# Altium PCB Whitespace_Daughtercard.PcbDoc (part 4 of 5)
Units mil, origin at the board's own origin, x right, y up, seen from the top; angles counter-clockwise.
Board outline 4000 x 3100 mil, 6 copper layers (Top Layer, Ground Plane, MidLayer1, MidLayer2, Power Plane, Bottom Layer), stack 62.3 mil thick; 355 components, 313 nets, 1366 pads, 1573 vias.
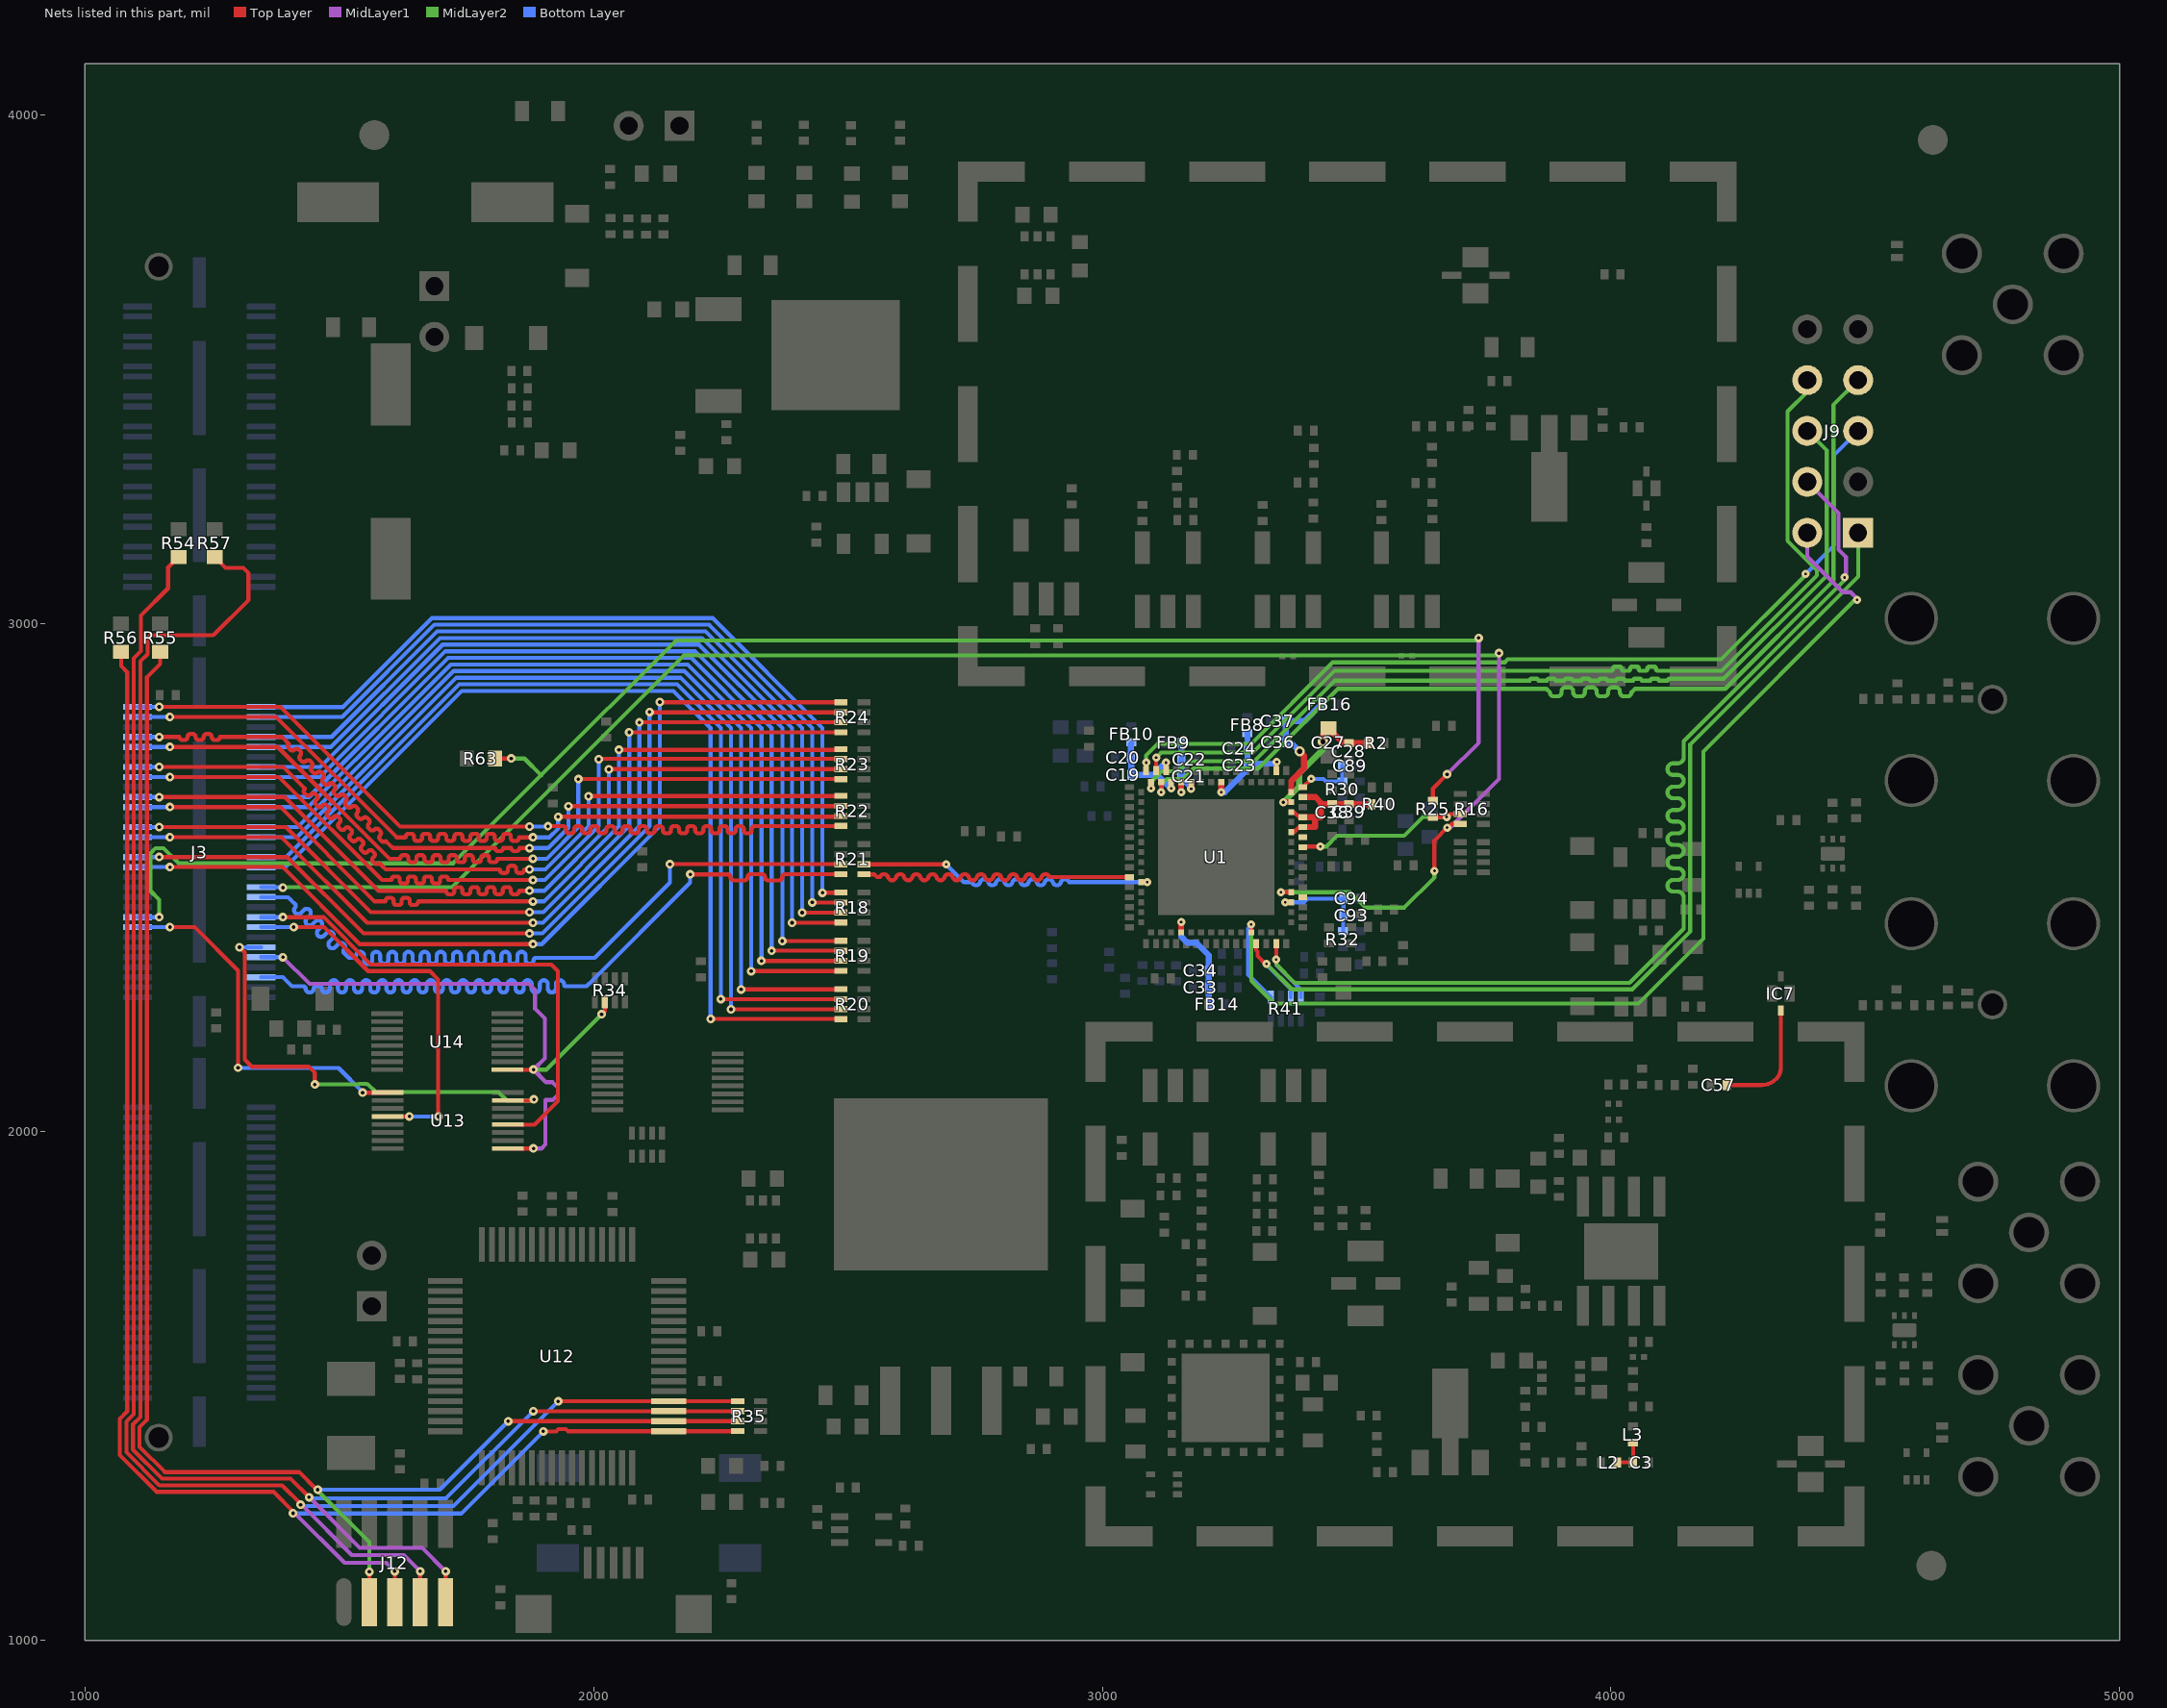
[diagram p8: the nets of this part, all layers, seen from the top]

## Via types
v1: diameter 20, hole 10, Top Layer to Bottom Layer, tented both sides, 569 vias
v2: diameter 17, hole 7, Top Layer to Bottom Layer, tented both sides, 273 vias
v3: diameter 25, hole 15, Top Layer to Bottom Layer, tented both sides, 262 vias
v4: diameter 18, hole 8, Top Layer to Bottom Layer, 137 vias
v5: diameter 16, hole 5, Top Layer to Bottom Layer, tented both sides, 108 vias
v6: diameter 20, hole 8, Top Layer to Bottom Layer, 64 vias
v7: diameter 18, hole 7, Top Layer to Bottom Layer, 61 vias
v8: diameter 17, hole 7, Top Layer to Bottom Layer, tented bottom, 41 vias
v9: diameter 18, hole 8, Top Layer to Bottom Layer, tented top, 17 vias
v10: diameter 16, hole 6, Top Layer to Bottom Layer, tented both sides, 11 vias
v11: diameter 25, hole 15, Top Layer to Bottom Layer, tented bottom, 10 vias
v12: diameter 16, hole 5, Top Layer to Bottom Layer, tented bottom, 4 vias
v13: diameter 55, hole 35.43, Top Layer to Bottom Layer, tented bottom, 3 vias
v14: diameter 150, hole 128.5, Top Layer to Bottom Layer, 3 vias
v15: diameter 250, hole 125, Top Layer to Bottom Layer, 2 vias
v16: diameter 250, hole 135, Top Layer to Bottom Layer, 2 vias
v17: diameter 18, hole 8, Top Layer to Bottom Layer, tented both sides, 2 vias
v18: diameter 18, hole 8, Top Layer to Bottom Layer, tented bottom, 2 vias
v19: diameter 20, hole 8, Top Layer to Bottom Layer, tented bottom, 1 vias
v20: diameter 19, hole 9, Top Layer to Bottom Layer, tented both sides, 1 vias

## Nets (pads, with @x,y where several pads share a name; then routed paths per layer and width w, separated by ;. In a path a pad name is that pad's centre, name@x,y a point inside that pad or via, vN(x,y) a via of type N, cw(c..) or ccw(c..) an arc to the next point about the centre after c; other vN are vias at no path point) (continued)
RXD0: J3.41 R22.1 | length 1702.6
  Top Layer w7.94: v2(1146,2835.43) 1384.57,2835.43 1620,2600 v2@1877,2600 ; v8@1910.36,2601 1922,2601 1929.94,2601 1940.26,2601 cw(c1940.26,2595.44) 1945.81,2595.44 1945.81,2592.56 ccw(c1951.37,2592.56) 1951.37,2587 1956.13,2587 ccw(c1956.13,2592.56) 1961.69,2592.56 1961.68,2595.44 cw(c1967.24,2595.44) 1967.24,2601 1972,2601 cw(c1972,2595.44) 1977.56,2595.44 1977.56,2592.56 ccw(c1983.11,2592.56) 1983.11,2587 1987.88,2587 ccw(c1987.88,2592.56) 1993.43,2592.56 1993.43,2595.44 cw(c1998.99,2595.44) 1998.99,2601 2003.75,2601 cw(c2003.75,2595.44) 2009.31,2595.44 2009.31,2592.56 ccw(c2014.86,2592.56) 2014.86,2587 2019.63,2587 ccw(c2019.63,2592.56) 2025.18,2592.56 2025.18,2595.44 cw(c2030.74,2595.44) 2030.74,2601 2035.5,2601 cw(c2035.5,2595.44) 2041.06,2595.44 2041.06,2592.56 ccw(c2046.61,2592.56) 2046.61,2587 2051.37,2587 ccw(c2051.37,2592.56) 2056.93,2592.56 2056.93,2595.44 cw(c2062.48,2595.44) 2062.48,2601 2067.25,2601 cw(c2067.25,2595.44) 2072.8,2595.44 2072.8,2592.56 ccw(c2078.36,2592.56) 2078.36,2587 2083.12,2587 ccw(c2083.12,2592.56) 2088.68,2592.56 2088.68,2595.44 cw(c2094.23,2595.44) 2094.23,2601 2099,2601 cw(c2099,2595.44) 2104.55,2595.44 2104.55,2592.56 ccw(c2110.11,2592.56) 2110.11,2587 2114.87,2587 ccw(c2114.87,2592.56) 2120.42,2592.56 2120.43,2595.44 cw(c2125.98,2595.44) 2125.98,2601 2130.74,2601 cw(c2130.74,2595.44) 2136.3,2595.44 2136.3,2592.56 ccw(c2141.85,2592.56) 2141.85,2587 2146.62,2587 ccw(c2146.62,2592.56) 2152.17,2592.56 2152.17,2595.44 cw(c2157.73,2595.44) 2157.73,2601 2162.49,2601 cw(c2162.49,2595.44) 2168.05,2595.44 2168.05,2592.56 ccw(c2173.6,2592.56) 2173.6,2587 2178.37,2587 ccw(c2178.37,2592.56) 2183.92,2592.56 2183.92,2595.44 cw(c2189.48,2595.44) 2189.48,2601 2194.24,2601 cw(c2194.24,2595.44) 2199.79,2595.44 2199.8,2592.56 ccw(c2205.35,2592.56) 2205.35,2587 2210.11,2587 ccw(c2210.11,2592.56) 2215.67,2592.56 2215.67,2595.44 cw(c2221.22,2595.44) 2221.22,2601 2225.99,2601 cw(c2225.99,2595.44) 2231.54,2595.44 2231.54,2592.56 ccw(c2237.1,2592.56) 2237.1,2587 2241.86,2587 ccw(c2241.86,2592.56) 2247.42,2592.56 2247.42,2595.44 cw(c2252.97,2595.44) 2252.97,2601 2257.74,2601 cw(c2257.74,2595.44) 2263.29,2595.44 2263.29,2592.56 ccw(c2268.85,2592.56) 2268.85,2587 2273.61,2587 ccw(c2273.61,2592.56) 2279.16,2592.56 2279.16,2595.44 cw(c2284.72,2595.44) 2284.72,2601 2289.48,2601 cw(c2289.48,2595.44) 2295.04,2595.44 2295.04,2592.56 ccw(c2300.59,2592.56) 2300.59,2587 2305.36,2587 ccw(c2305.36,2592.56) 2310.91,2592.56 2310.91,2595.44 cw(c2316.47,2595.44) 2316.47,2601 2427,2601 2485.89,2601 R22.1@2486.36,2601.47
  Bottom Layer w7.94: J3.41@1103.35,2835.43 v2(1146,2835.43) ; v2@1877,2600 1909.52,2600 v8(1910.36,2600.84)
  other v2: 1874,2600
RXD1: J3.43 R22.2 | length 1640.1
  Top Layer w7.94: v2(1167,2815.75) 1375.97,2815.75 1612.72,2579 1623,2579 1629.49,2579 ccw(c1629.49,2580.44) 1630.94,2580.44 cw(c1636.49,2580.44) 1636.49,2586 1641.26,2586 cw(c1641.26,2580.44) 1646.81,2580.44 1646.81,2579 1646.81,2577.56 ccw(c1652.37,2577.56) 1652.37,2572 1657.13,2572 ccw(c1657.13,2577.56) 1662.69,2577.56 1662.68,2579 1662.68,2580.44 cw(c1668.24,2580.44) 1668.24,2586 1673,2586 cw(c1673,2580.44) 1678.56,2580.44 1678.56,2579 1678.56,2577.56 ccw(c1684.11,2577.56) 1684.11,2572 1688.88,2572 ccw(c1688.88,2577.56) 1694.43,2577.56 1694.43,2579 1694.43,2580.44 cw(c1699.99,2580.44) 1699.99,2586 1704.75,2586 cw(c1704.75,2580.44) 1710.31,2580.44 1710.31,2579 1710.31,2577.56 ccw(c1715.86,2577.56) 1715.86,2572 1720.63,2572 ccw(c1720.63,2577.56) 1726.18,2577.56 1726.18,2579 1726.18,2580.44 cw(c1731.74,2580.44) 1731.74,2586 1736.5,2586 cw(c1736.5,2580.44) 1742.06,2580.44 1742.06,2579 1742.06,2577.56 ccw(c1747.61,2577.56) 1747.61,2572 1752.37,2572 ccw(c1752.37,2577.56) 1757.93,2577.56 1757.93,2579 1757.93,2580.44 cw(c1763.48,2580.44) 1763.48,2586 1768.25,2586 cw(c1768.25,2580.44) 1773.8,2580.44 1773.8,2579 1773.8,2577.56 ccw(c1779.36,2577.56) 1779.36,2572 1784.12,2572 ccw(c1784.12,2577.56) 1789.68,2577.56 1789.68,2579 1789.68,2580.44 cw(c1795.23,2580.44) 1795.23,2586 1800,2586 cw(c1800,2580.44) 1805.55,2580.44 1805.55,2579 1805.55,2577.56 ccw(c1811.11,2577.56) 1811.11,2572 1815.87,2572 ccw(c1815.87,2577.56) 1821.42,2577.56 1821.42,2579 1821.42,2580.44 cw(c1826.98,2580.44) 1826.98,2586 1831.74,2586 cw(c1831.74,2580.44) 1837.3,2580.44 1837.3,2579 1837.3,2577.56 ccw(c1842.85,2577.56) 1842.85,2572 1847.62,2572 ccw(c1847.62,2577.56) 1853.17,2577.56 cw(c1854.62,2577.56) 1854.62,2579 1869.05,2579 1872,2579 v2@1877,2579 ; v8@1930.36,2619.53 2484.73,2619.53 R22.2@2486.36,2621.16
  Bottom Layer w7.94: J3.43@1103.35,2815.75 v2(1167,2815.75) ; v2@1877,2579 1913.22,2579 1930.36,2596.14 v8(1930.36,2619.37)
  other v2: 1881,2579
RXD2: J3.47 R22.3 | length 1701.8
  Top Layer w7.94: v2(1146,2776.38) 1162,2776.38 1169.94,2776.38 1185.81,2776.38 ccw(c1191.81,2776.38) 1191.81,2770.38 1195.68,2770.38 ccw(c1195.68,2776.38) 1201.68,2776.38 cw(c1207.68,2776.38) 1207.68,2782.38 1211.56,2782.38 cw(c1211.56,2776.38) 1217.56,2776.38 ccw(c1223.56,2776.38) 1223.56,2770.38 1227.43,2770.38 ccw(c1227.43,2776.38) 1233.43,2776.38 cw(c1239.43,2776.38) 1239.43,2782.38 1243.31,2782.38 cw(c1243.31,2776.38) 1249.31,2776.38 ccw(c1255.31,2776.38) 1255.31,2770.38 1259.18,2770.38 ccw(c1259.18,2776.38) 1265.18,2776.38 1271,2776.38 1384,2776.38 ; 1379.12,2776.38 1387.05,2776.38 1389.56,2773.87 1400.79,2762.65 ccw(c1405.03,2758.4) 1400.79,2754.16 1403.52,2751.42 ccw(c1407.77,2755.66) 1412.01,2751.42 cw(c1416.25,2747.18) 1420.49,2751.42 1423.23,2748.68 cw(c1418.99,2744.44) 1423.23,2740.2 ccw(c1427.48,2735.95) 1423.23,2731.71 1425.97,2728.97 ccw(c1430.22,2733.22) 1434.46,2728.97 cw(c1438.7,2724.73) 1442.94,2728.97 1445.68,2726.23 cw(c1441.44,2721.99) 1445.68,2717.75 ccw(c1449.93,2713.51) 1445.68,2709.26 1448.42,2706.52 ccw(c1452.67,2710.77) 1456.91,2706.52 cw(c1461.15,2702.28) 1465.39,2706.52 1468.13,2703.78 cw(c1463.89,2699.54) 1468.13,2695.3 ccw(c1472.38,2691.06) 1468.13,2686.81 1470.87,2684.07 ccw(c1475.11,2688.32) 1479.36,2684.07 cw(c1483.6,2679.83) 1487.84,2684.07 1490.58,2681.33 cw(c1486.34,2677.09) 1490.58,2672.85 ccw(c1494.82,2668.61) 1490.58,2664.36 1493.32,2661.62 ; 1493.32,2661.63 ccw(c1497.56,2665.87) 1501.81,2661.63 cw(c1506.05,2657.38) 1510.29,2661.63 ; 1510.29,2661.62 1513.03,2658.89 cw(c1508.79,2654.64) 1513.03,2650.4 ccw(c1517.27,2646.16) 1513.03,2641.92 1515.77,2639.18 ccw(c1520.01,2643.42) 1524.26,2639.18 cw(c1528.5,2634.93) 1532.74,2639.18 1535.48,2636.44 cw(c1531.24,2632.19) 1535.48,2627.95 ccw(c1539.72,2623.71) 1535.48,2619.47 1538.22,2616.73 ccw(c1542.46,2620.97) 1546.71,2616.73 cw(c1550.95,2612.48) 1555.19,2616.73 1557.93,2613.99 cw(c1553.69,2609.74) 1557.93,2605.5 ccw(c1562.17,2601.26) 1557.93,2597.02 1560.67,2594.28 ccw(c1564.91,2598.52) 1569.15,2594.28 cw(c1573.4,2590.03) 1577.64,2594.28 1580.38,2591.54 cw(c1576.14,2587.3) 1580.38,2583.05 ccw(c1584.62,2578.81) 1580.38,2574.57 1583.12,2571.83 ccw(c1587.36,2576.07) 1591.6,2571.83 1597.22,2566.22 1605.43,2558 1799,2558 1806.44,2558 ccw(c1812.44,2558) 1812.44,2552 1816.32,2552 ccw(c1816.32,2558) 1822.32,2558 1838.19,2558 ccw(c1844.19,2558) 1844.19,2552 1848.06,2552 ccw(c1848.06,2558) 1854.06,2558 1862,2558 v2@1877,2558 ; v8@1950.36,2640.37 2485.89,2640.37 R22.3@2486.36,2640.84
  Bottom Layer w7.94: J3.47@1103.35,2776.38 v2(1146,2776.38) ; v2@1877,2558 1910.52,2558 1950.36,2597.84 v8(1950.36,2640.21)
  other v2: 1874,2558
RXD3: J3.49 R23.1 | length 1703.5
  Top Layer w7.94: v2(1167,2756.69) 1378.97,2756.69 1598.66,2537 1612,2537 1618.49,2537 ccw(c1618.49,2538.44) 1619.94,2538.44 cw(c1625.49,2538.44) 1625.49,2544 1630.26,2544 cw(c1630.26,2538.44) 1635.81,2538.44 1635.81,2537 1635.81,2535.56 ccw(c1641.37,2535.56) 1641.37,2530 1646.13,2530 ccw(c1646.13,2535.56) 1651.69,2535.56 1651.68,2537 1651.68,2538.44 cw(c1657.24,2538.44) 1657.24,2544 1662,2544 cw(c1662,2538.44) 1667.56,2538.44 1667.56,2537 1667.56,2535.56 ccw(c1673.11,2535.56) 1673.11,2530 1677.88,2530 ccw(c1677.88,2535.56) 1683.43,2535.56 1683.43,2537 1683.43,2538.44 cw(c1688.99,2538.44) 1688.99,2544 1693.75,2544 cw(c1693.75,2538.44) 1699.31,2538.44 1699.31,2537 1699.31,2535.56 ccw(c1704.86,2535.56) 1704.86,2530 1709.63,2530 ccw(c1709.63,2535.56) 1715.18,2535.56 1715.18,2537 1715.18,2538.44 cw(c1720.74,2538.44) 1720.74,2544 1725.5,2544 cw(c1725.5,2538.44) 1731.06,2538.44 1731.06,2537 1731.06,2535.56 ccw(c1736.61,2535.56) 1736.61,2530 1741.37,2530 ccw(c1741.37,2535.56) 1746.93,2535.56 1746.93,2537 1746.93,2538.44 cw(c1752.48,2538.44) 1752.48,2544 1757.25,2544 cw(c1757.25,2538.44) 1762.8,2538.44 1762.8,2537 1762.8,2535.56 ccw(c1768.36,2535.56) 1768.36,2530 1773.12,2530 ccw(c1773.12,2535.56) 1778.68,2535.56 1778.68,2537 1778.68,2538.44 cw(c1784.23,2538.44) 1784.23,2544 1789,2544 cw(c1789,2538.44) 1794.55,2538.44 1794.55,2537 1794.55,2535.56 ccw(c1800.11,2535.56) 1800.11,2530 1804.87,2530 ccw(c1804.87,2535.56) 1810.42,2535.56 cw(c1811.87,2535.56) 1811.87,2537 1856,2537 v2@1877,2537 ; v8@1970,2693.47 R23.1@2486.36,2693.47
  Bottom Layer w7.94: J3.49@1103.35,2756.69 v2(1167,2756.69) ; v2@1877,2537 1907.82,2537 1970,2599.18 v8(1970,2693.37)
  other v2: 1881,2537
RXD4: J3.53 R22.4 | length 1706
  Top Layer w7.94: v2(1146,2717.32) 1390.05,2717.32 1410,2697.38 1431.63,2675.74 cw(c1430.61,2674.72) 1431.63,2673.7 ccw(c1435.56,2669.77) 1431.63,2665.84 1435,2662.47 ccw(c1438.93,2666.4) 1442.86,2662.47 1443.88,2663.5 1444.9,2664.52 cw(c1448.83,2660.59) 1452.76,2664.52 1456.13,2661.15 cw(c1452.2,2657.22) 1456.13,2653.29 1455.1,2652.27 1454.08,2651.25 ccw(c1458.01,2647.32) 1454.08,2643.39 1457.45,2640.03 ccw(c1461.38,2643.95) 1465.31,2640.02 1466.33,2641.05 1467.35,2642.07 cw(c1471.28,2638.14) 1475.21,2642.07 1478.58,2638.7 cw(c1474.65,2634.77) 1478.58,2630.84 1477.55,2629.82 1476.53,2628.8 ccw(c1480.46,2624.87) 1476.53,2620.94 1479.9,2617.58 ccw(c1483.83,2621.5) 1487.76,2617.58 1488.78,2618.6 1489.8,2619.62 cw(c1493.73,2615.69) 1497.66,2619.62 1501.02,2616.25 cw(c1497.1,2612.32) 1501.02,2608.39 1500,2607.37 1498.98,2606.35 ccw(c1502.91,2602.42) 1498.98,2598.49 1502.35,2595.13 ccw(c1506.28,2599.06) 1510.21,2595.13 1511.23,2596.15 1512.25,2597.17 cw(c1516.18,2593.24) 1520.11,2597.17 1523.47,2593.8 cw(c1519.54,2589.87) 1523.47,2585.94 1522.45,2584.92 1521.43,2583.9 ccw(c1525.36,2579.97) 1521.43,2576.04 1524.8,2572.68 ccw(c1528.73,2576.61) 1532.66,2572.68 1533.68,2573.7 1534.7,2574.72 cw(c1538.63,2570.79) 1542.56,2574.72 1545.92,2571.35 cw(c1541.99,2567.42) 1545.92,2563.49 1544.9,2562.47 1543.88,2561.45 ccw(c1547.81,2557.52) 1543.88,2553.6 1547.25,2550.23 ccw(c1551.18,2554.16) 1555.11,2550.23 1556.13,2551.25 1557.15,2552.27 cw(c1561.08,2548.34) 1565,2552.27 1568.37,2548.9 cw(c1564.44,2544.97) 1568.37,2541.05 1567.35,2540.02 1566.33,2539 ccw(c1570.26,2535.07) 1566.33,2531.15 1569.7,2527.78 ccw(c1573.63,2531.71) 1577.55,2527.78 cw(c1578.58,2526.76) 1579.6,2527.78 1584.19,2523.19 1591.38,2516 1792,2516 1799.94,2516 1814.37,2516 cw(c1814.37,2514.56) 1815.81,2514.56 ccw(c1821.37,2514.56) 1821.37,2509 1826.13,2509 ccw(c1826.13,2514.56) 1831.69,2514.56 1831.68,2516 1831.68,2517.44 cw(c1837.24,2517.44) 1837.24,2523 1842,2523 cw(c1842,2517.44) 1847.56,2517.44 1847.56,2516 1847.56,2514.56 ccw(c1853.11,2514.56) 1853.11,2509 1857.88,2509 ccw(c1857.88,2514.56) 1863.43,2514.56 cw(c1864.88,2514.56) 1864.88,2516 v2@1877,2516 ; v8@1990,2660.06 2485.89,2660.06 R22.4@2486.36,2660.53
  Bottom Layer w7.94: J3.53@1103.35,2717.32 v2(1146,2717.32) ; v2@1877,2516 1884.94,2516 1888,2516 1905.16,2516 1990,2600.84 v8(1990,2659.9)
  other v2: 1874,2516
RXD5: J3.55 R23.3 | length 1707
  Top Layer w7.94: v2(1167,2697.64) 1381.45,2697.64 1584.09,2495 1595,2495 1601.49,2495 ccw(c1601.49,2496.44) 1602.94,2496.44 cw(c1608.49,2496.44) 1608.49,2502 1613.26,2502 cw(c1613.26,2496.44) 1618.81,2496.44 1618.81,2495 1618.81,2493.56 ccw(c1624.37,2493.56) 1624.37,2488 1629.13,2488 ccw(c1629.13,2493.56) 1634.69,2493.56 1634.68,2495 1634.68,2496.44 cw(c1640.24,2496.44) 1640.24,2502 1645,2502 cw(c1645,2496.44) 1650.56,2496.44 1650.56,2495 1650.56,2493.56 ccw(c1656.11,2493.56) 1656.11,2488 1660.88,2488 ccw(c1660.88,2493.56) 1666.43,2493.56 1666.43,2495 1666.43,2496.44 cw(c1671.99,2496.44) 1671.99,2502 1676.75,2502 cw(c1676.75,2496.44) 1682.31,2496.44 1682.31,2495 1682.31,2493.56 ccw(c1687.86,2493.56) 1687.86,2488 1692.63,2488 ccw(c1692.63,2493.56) 1698.18,2493.56 1698.18,2495 1698.18,2496.44 cw(c1703.74,2496.44) 1703.74,2502 1708.5,2502 cw(c1708.5,2496.44) 1714.06,2496.44 ccw(c1715.5,2496.44) 1715.5,2495 1800,2495 v2@1877,2495 ; v8@2010,2733.53 2485.68,2733.53 R23.3@2486.36,2732.84
  Bottom Layer w7.94: J3.55@1103.35,2697.64 v2(1167,2697.64) ; v2@1877,2495 1904.16,2495 2010,2600.84 v8(2010,2732.37) v8@2010,2733.37
  other v2: 1881,2495
RXD6: J3.59 R23.2 | length 1706.2
  Top Layer w7.94: v2(1146,2658.27) 1392.54,2658.27 1576.81,2474 1648,2474 1708.75,2474 cw(c1708.75,2472.56) 1710.2,2472.56 ccw(c1715.75,2472.56) 1715.75,2467 1720.52,2467 ccw(c1720.52,2472.56) 1726.07,2472.56 1726.07,2474 1726.07,2475.44 cw(c1731.63,2475.44) 1731.63,2481 1736.39,2481 cw(c1736.39,2475.44) 1741.95,2475.44 1741.94,2474 1741.94,2472.56 ccw(c1747.5,2472.56) 1747.5,2467 1752.26,2467 ccw(c1752.26,2472.56) 1757.82,2472.56 1757.82,2474 1757.82,2475.44 cw(c1763.37,2475.44) 1763.37,2481 1768.14,2481 cw(c1768.14,2475.44) 1773.69,2475.44 1773.69,2474 1773.69,2472.56 ccw(c1779.25,2472.56) 1779.25,2467 1784.01,2467 ccw(c1784.01,2472.56) 1789.57,2472.56 1789.57,2474 1789.57,2475.44 cw(c1795.12,2475.44) 1795.12,2481 1799.89,2481 cw(c1799.89,2475.44) 1805.44,2475.44 1805.44,2474 1805.44,2472.56 ccw(c1811,2472.56) 1811,2467 1815.76,2467 ccw(c1815.76,2472.56) 1821.32,2472.56 1821.32,2474 1821.32,2475.44 cw(c1826.87,2475.44) 1826.87,2481 1831.63,2481 cw(c1831.63,2475.44) 1837.19,2475.44 1837.19,2474 1837.19,2472.56 ccw(c1842.74,2472.56) 1842.74,2467 1847.51,2467 ccw(c1847.51,2472.56) 1853.06,2472.56 cw(c1854.51,2472.56) 1854.51,2474 1861,2474 v2@1877,2474 ; v8@2030,2713 R23.2@2486.36,2713
  Bottom Layer w7.94: J3.59@1103.35,2658.27 v2(1146,2658.27) ; v2@1877,2474 1903.16,2474 2030,2600.84 v8(2030,2712.84) v8@2030,2713.37
  other v2: 1874,2474
RXD7: J3.61 R23.4 | length 1704.8
  Top Layer w7.94: v2(1167,2638.58) 1383.94,2638.58 1569.52,2453 1583,2453 1589.49,2453 ccw(c1589.49,2454.44) 1590.94,2454.44 cw(c1596.49,2454.44) 1596.49,2460 1601.26,2460 cw(c1601.26,2454.44) 1606.81,2454.44 1606.81,2453 1606.81,2451.56 ccw(c1612.37,2451.56) 1612.37,2446 1617.13,2446 ccw(c1617.13,2451.56) 1622.69,2451.56 1622.68,2453 1622.68,2454.44 cw(c1628.24,2454.44) 1628.24,2460 1633,2460 cw(c1633,2454.44) 1638.56,2454.44 1638.56,2453 1638.56,2451.56 ccw(c1644.11,2451.56) 1644.11,2446 1648.88,2446 ccw(c1648.88,2451.56) 1654.43,2451.56 cw(c1655.88,2451.56) 1655.88,2453 1718,2453 v2@1877,2453 ; v8(2050,2751) R23.4@2484.83,2751
  Bottom Layer w7.94: J3.61@1103.35,2638.58 v2(1167,2638.58) ; v2@1877,2453 1902.16,2453 2050,2600.84 v8@2050,2750.37
  other v2: 1881,2453
RXD8: J3.65 R24.1 | length 1706.7
  Top Layer w7.94: v2(1146,2599.21) 1395.03,2599.21 1562.24,2432 v2@1877,2432 ; v8@2070,2785.47 R24.1@2486.36,2785.47
  Bottom Layer w7.94: J3.65@1103.35,2599.21 v2(1146,2599.21) ; v2@1877,2432 1901.16,2432 2070,2600.84 v8(2070,2785.31) v8@2070,2785.37
  other v2: 1874,2432
RXD9: J3.67 R24.2 | length 1736
  Top Layer w7.94: v2(1167,2579.53) 1386.43,2579.53 1554.95,2411 v2@1877,2411 ; v8@2090,2805.4 R24.2@2486.36,2805.16
  Bottom Layer w7.94: J3.67@1103.35,2579.53 v2(1167,2579.53) ; v2@1877,2411 1900.16,2411 2090,2600.84 v8(2090,2805) v8@2090,2805.37
  other v2: 1881,2411
RXD10: J3.71 R24.3 | length 1757.1
  Top Layer w7.94: v2(1146,2540.16) 1397.51,2540.16 1547.67,2390 v2@1877,2390 ; v8@2110,2824.84 R24.3@2486.36,2824.84
  Bottom Layer w7.94: J3.71@1103.35,2540.16 v2(1146,2540.16) ; v2@1877,2390 1899.16,2390 2110,2600.84 v8(2110,2825.37)
  other v2: 1874,2390
RXD11: J3.73 R24.4 | length 1785
  Top Layer w7.94: v2(1167,2520.47) 1388.91,2520.47 1540.39,2369 v2@1877,2369 ; v8@2130.36,2844.53 R24.4@2486.36,2844.53
  Bottom Layer w7.94: J3.73@1103.35,2520.47 v2(1167,2520.47) ; v2@1877,2369 1898.16,2369 2130,2600.84 v8@2130,2844.37
  other v2: 1881,2369
  other v8: 2130.36,2844.84
RXOUTIN_4: J9.8 U1.115 | length 1858.8
  Top Layer w7.94: v5(3096.05,2675.42) U1.115@3096.05,2687.64
  MidLayer2 w7.94: v5(3096.05,2675.42) 3096.05,2688.05 3116.94,2708.94 3148.94,2708.94 3169,2729 3298.81,2729 3456.74,2886.94 3840.47,2886.94 cw(c3844.47,2886.94) 3844.47,2890.94 3853.41,2890.94 cw(c3853.41,2886.94) 3857.41,2886.94 3874.34,2886.94 cw(c3878.34,2886.94) 3878.34,2890.94 3887.28,2890.94 cw(c3887.28,2886.94) 3891.28,2886.94 3908.22,2886.94 cw(c3912.22,2886.94) 3912.22,2890.94 3921.15,2890.94 cw(c3921.15,2886.94) 3925.15,2886.94 3942.09,2886.94 cw(c3946.09,2886.94) 3946.09,2890.94 3955.03,2890.94 cw(c3955.03,2886.94) 3959.03,2886.94 3975.96,2886.94 cw(c3979.96,2886.94) 3979.96,2890.94 3988.9,2890.94 cw(c3988.9,2886.94) 3992.9,2886.94 4009.84,2886.94 cw(c4013.84,2886.94) 4013.84,2890.94 4022.78,2890.94 cw(c4022.78,2886.94) 4026.78,2886.94 4043.71,2886.94 cw(c4047.71,2886.94) 4047.71,2890.94 4056.65,2890.94 cw(c4056.65,2886.94) 4060.65,2886.94 4077.59,2886.94 cw(c4081.59,2886.94) 4081.59,2890.94 4090.52,2890.94 cw(c4090.52,2886.94) 4094.52,2886.94 4111.46,2886.94 cw(c4115.46,2886.94) 4115.46,2890.94 4124.4,2890.94 ; 4124.4,2891 4222,2891 4424.5,3093.5 4424.5,3339.5 J9.8@4386,3378